# Altium PCB PCB_Kasli.PCBDOC (part 2 of 14)
Units mm, origin at the board's own origin, x right, y up, seen from the top; angles counter-clockwise.
Board outline 162.29 x 100 mm, 6 copper layers (TopLayer, MidLayer1, MidLayer2, SignalLayer1, Internal Plane 1, BottomLayer), stack 1.528 mm thick; 646 components, 567 nets, 2756 pads, 1560 vias.
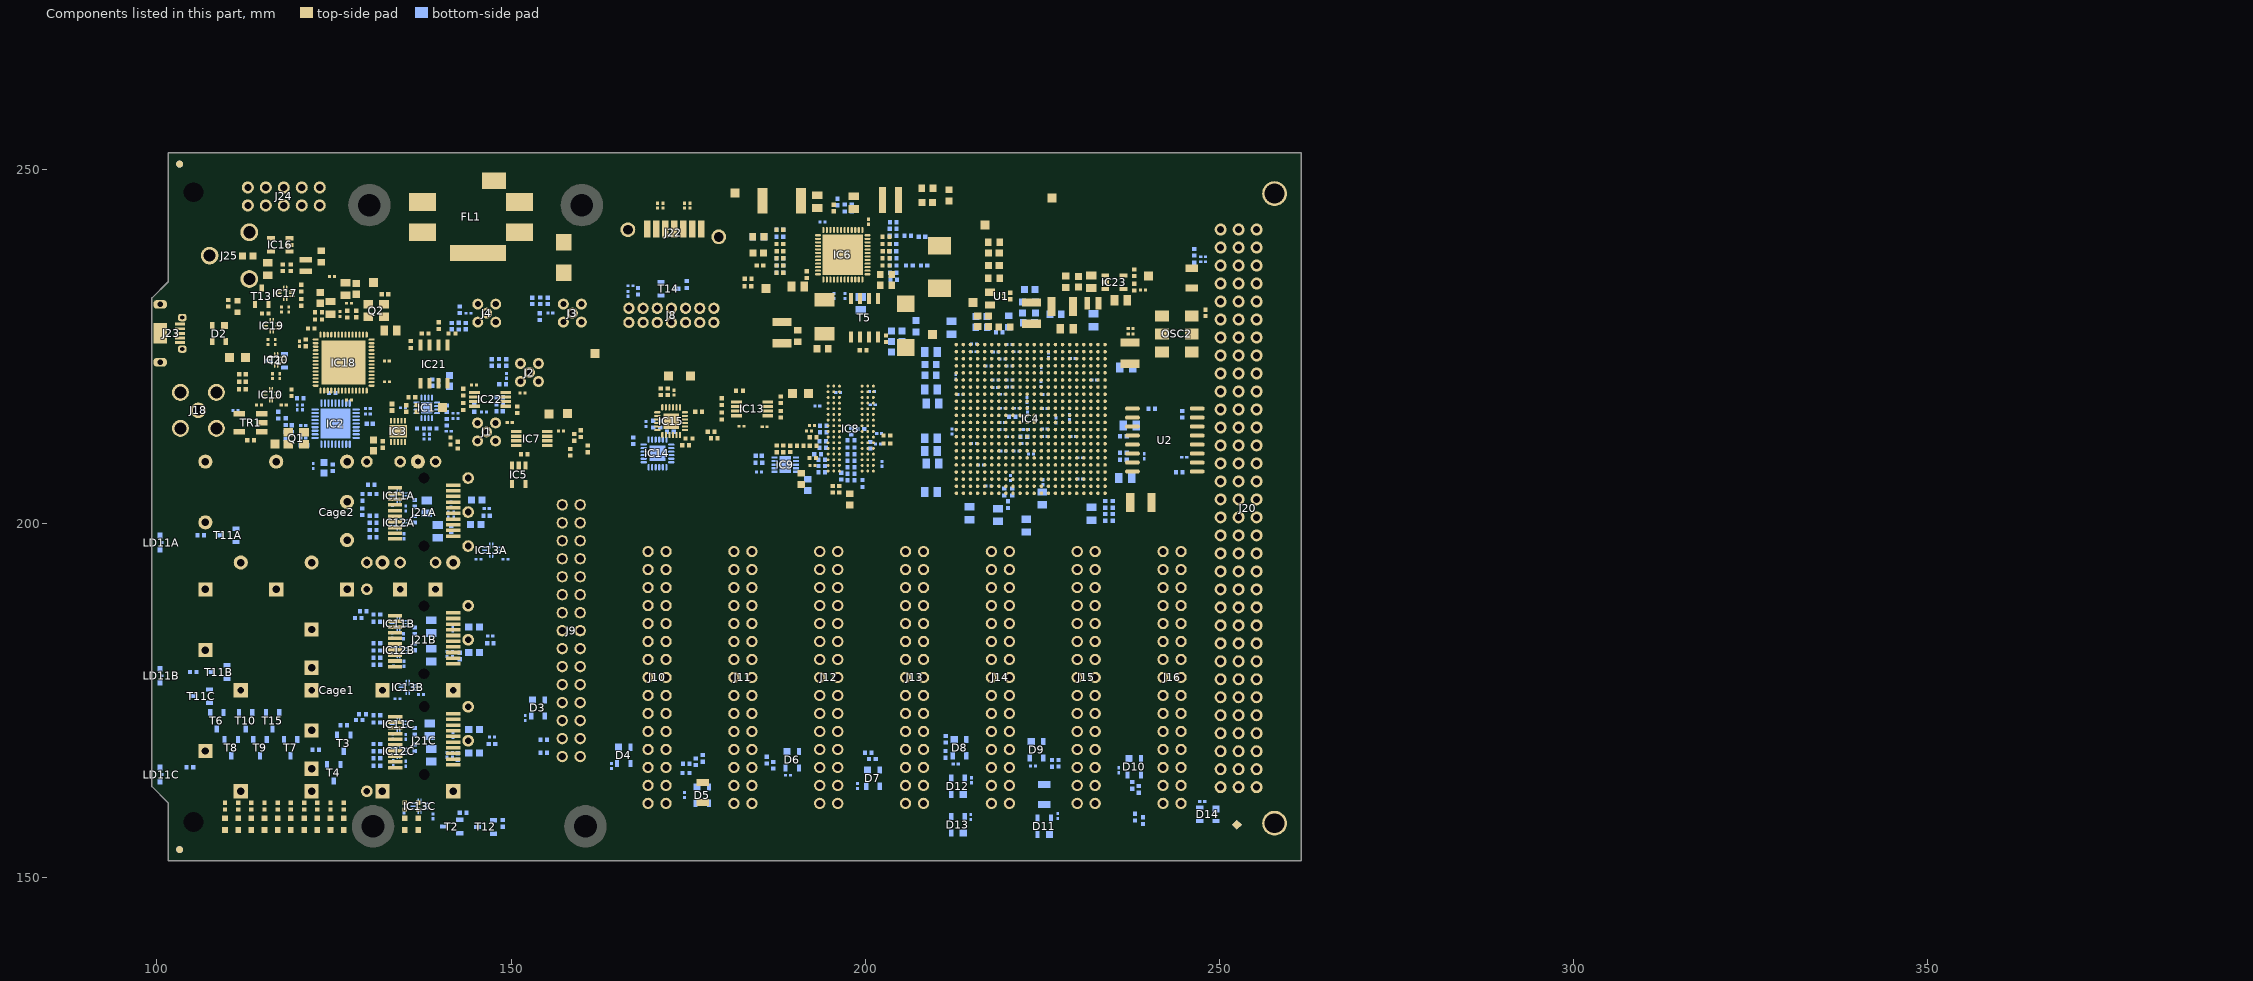
[diagram p6: the components of this part, seen from the top]

## Components (designator, comment, footprint, x,y, rotation, side; value= is the part's Value field where it differs from the comment) (continued)
C183B "100nF" CAPC0603X33N 140.97,181.61 r90 bottom (schematic designator C183)
C183C "100nF" CAPC0603X33N 140.97,167.386 r90 bottom (schematic designator C183)
C184A "10uF" CAPC2012X95N 138.1,202.4 r90 bottom (schematic designator C184)
C184B "10uF" CAPC2012X95N 138.75,185.475 r270 bottom (schematic designator C184)
C184C "10uF" CAPC2012X95N 138.525,170.925 r270 bottom (schematic designator C184)
C185A "100nF" CAPC0603X33N 141.525,202.725 r90 bottom (schematic designator C185)
C185B "100nF" CAPC0603X33N 141.775,185.2 r270 bottom (schematic designator C185)
C185C "100nF" CAPC0603X33N 141.8,170.2 r90 bottom (schematic designator C185)
C186A "100nF" CAPC0603X33N 133.325,198.3 r90 bottom (schematic designator C186)
C186B "100nF" CAPC0603X33N 133.225,184.25 r90 bottom (schematic designator C186)
C186C "100nF" CAPC0603X33N 133.375,166.2 r90 bottom (schematic designator C186)
C187A "100nF" CAPC0603X33N 134.875,198.25 r90 bottom (schematic designator C187)
C187B "100nF" CAPC0603X33N 134.875,180.25 r90 bottom (schematic designator C187)
C187C "100nF" CAPC0603X33N 135.128,166.116 r90 bottom (schematic designator C187)
C188A "100nF" CAPC0603X33N 133.275,202.225 r90 bottom (schematic designator C188)
C188B "100nF" CAPC0603X33N 133.4,180.3 r90 bottom (schematic designator C188)
C188C "100nF" CAPC0603X33N 133.3,169.975 r90 bottom (schematic designator C188)
C189A "100nF" CAPC0603X33N 135.129,202.18 r90 bottom (schematic designator C189)
C189B "100nF" CAPC0603X33N 134.83,184.13 r90 bottom (schematic designator C189)
C189C "100nF" CAPC0603X33N 135.128,169.926 r90 bottom (schematic designator C189)
C190A "100nF" CAPC0603X33N 145.4,195 r0 bottom (schematic designator C190)
C190B "100nF" CAPC0603X33N 133.95,175.3 r0 bottom (schematic designator C190)
C190C "100nF" CAPC0603X33N 134.9,158.8 r90 bottom (schematic designator C190)
C191A "100nF" CAPC0603X33N 149.2,195 r180 bottom (schematic designator C191)
C191B "100nF" CAPC0603X33N 137.3,175.9 r180 bottom (schematic designator C191)
C191C "100nF" CAPC0603X33N 139,158.7 r90 bottom (schematic designator C191)
C192 "100nF" CAPC0603X33N 182.525,213.775 r180 top
C193 "100nF" CAPC0603X33N 185.811,213.705 r0 top
C194 "10nF" CAPC1005X55N 141.606,227.909 r90 bottom
C195 "10nF" CAPC1005X55N 143.606,227.909 r90 bottom
C196 "100nF" CAPC0603X33N 169.042,214.092 r270 bottom
C197 "100nF" CAPC0603X33N 173,218.525 r270 top
C198 "100nF" CAPC0603X33N 170.689,244.933 r90 top
C199 "100nF" CAPC0603X33N 171.476,244.933 r90 top
C200 "100nF" CAPC0603X33N 174.499,244.933 r90 top
C201 "100nF" CAPC0603X33N 175.286,244.933 r90 top
C202 "4.7uF" CAPC2012X135N 115.65,235.975 r90 top
C203 "100nF" CAPC0603X33N 114.4,216.8 r0 top
C204 "100nF" CAPC0603X33N 124.714,234.95 r180 top
C205 "22uF" CAPC1709X100N 123.175,237.75 r270 top
C206 "4.7uF" CAPC2012X135N 132.969,227.33 r180 top
C207 "22pF" CAPC1005X55N 132.207,232.41 r180 top
C208 "22pF" CAPC1005X55N 128.143,229.616 r270 top
C209 "4.7uF" CAPC2012X135N 126.619,233.172 r270 top
C210 "100nF" CAPC0603X33N 127.127,231.14 r0 top
C211 "4.7uF" CAPC2012X135N 124.5,230.5 r270 top
C212 "100nF" CAPC0603X33N 125.857,229.616 r270 top
C213 "100nF" CAPC0603X33N 118.618,230.251 r90 top
C214 "100nF" CAPC0603X33N 117.348,220.853 r90 top
C215 "100nF" CAPC0603X33N 116.713,225.679 r90 top
C216 "100nF" CAPC0603X33N 115.697,225.679 r90 top
C217 "100nF" CAPC0603X33N 117.602,230.251 r90 top
C218 "100nF" CAPC0603X33N 116.332,220.853 r90 top
C219 "100nF" CAPC0603X33N 144.759,219.619 r180 top
C220 "100nF" CAPC0603X33N 151.6,218.5 r180 top
C221 "100nF" CAPC0603X33N 127.1,217.5 r180 top
C222 "100nF" CAPC0603X33N 132.461,223.012 r180 top
C223 "100nF" CAPC0603X33N 120.142,225.425 r270 top
C224 "100nF" CAPC0603X33N 132.475,220.075 r180 top
C225 "10nF" CAPC1005X55N 112.075,221.15 r180 top
C226 "10nF" CAPC1005X55N 112.081,220.06 r180 top
C227 "100nF" CAPC0603X33N 117.9,216.8 r180 top
C228 "100nF" CAPC0603X33N 111.075,216.025 r0 bottom
C229 "100nF" CAPC0603X33N 239.4,209.55 r90 bottom
C230 "2.2nF" CAPC1005X55N 185.166,236.474 r0 top
C231 "10uF" CAPC2012X95N 231.927,234.188 r270 top
C232 "100nF" CAPC0603X33N 239.25,233 r180 top
C233 "22uF" CAPC1709X100N 228.346,234.188 r270 top
C235 "47uF" CAPC3225X270N 227.825,230.7 r0 top
C236 "100nF" CAPC0603X33N 237.49,226.822 r180 top
C237 "100nF" CAPC0603X33N 237.49,227.584 r180 top
C238 "10nF" CAPC1005X55N 248.05,229.8 r270 top
C240 "22uF" CAPC1709X100N 209.25,221 r0 bottom
Cage1 "SFP+" TYCO_2007263-1 137.74,176.504 r0 top locked
Cage2 "SFP+" TYCO_2007198-1 137.74,201.663 r0 top locked
D1 "SMBJ12A" DIOM5336X265N 157.448,237.615 r270 top
D2 "PRTR5V0U2X" SOT190P230X110-4N 108.772,226.873 r270 top
D3 "PRTR5V0U2X" SOT190P230X110-4N 153.8,174 r270 bottom
D4 "PRTR5V0U2X" SOT190P230X110-4N 165.9,167.3 r270 bottom
D5 "PRTR5V0U2X" SOT190P230X110-4N 177,161.7 r270 bottom
D6 "PRTR5V0U2X" SOT190P230X110-4N 189.7,166.7 r270 bottom
D7 "PRTR5V0U2X" SOT190P230X110-4N 201.1,164.1 r270 bottom
D8 "PRTR5V0U2X" SOT190P230X110-4N 213.325,168.4 r270 bottom
D9 "PRTR5V0U2X" SOT190P230X110-4N 224.2,168.1 r270 bottom
D10 "PRTR5V0U2X" SOT190P230X110-4N 238,165.7 r270 bottom
D11 "PRTR5V0U2X" SOT190P230X110-4N 225.3,157.3 r90 bottom
D12 "PRTR5V0U2X" SOT190P230X110-4N 213.1,162.95 r90 bottom
D13 "PRTR5V0U2X" SOT190P230X110-4N 213.1,157.5 r90 bottom
D14 "PRTR5V0U2X" SOT190P230X110-4N 248.4,159 r180 bottom
F1 "125mA-30V" FUSR_LITTELFUSE_1206L012 177.05,162.075 r270 top
F2 "125mA-30V" FUSR_LITTELFUSE_1206L012 225.298,161.798 r270 bottom
F3 "125mA-30V" FUSR_LITTELFUSE_1206L012 246.126,234.696 r90 top
FL1 "10A/50VDC" FIL_MURATA_BNX02 144.364,243.355 r0 top
FTG1 "Use only in PCB" FIDUCIAL_TOP_C100-200 103.2,250.8 r90 top
FTG2 "Use only in PCB" FIDUCIAL_TOP_S100-200 252.5,157.5 r90 bottom
FTG3 "Use only in PCB" FIDUCIAL_TOP_C100-200 103.2,154 r90 top
FTG4 "Use only in PCB" FIDUCIAL_TOP_C100-200 103.2,250.8 r90 bottom
FTG5 "Use only in PCB" FIDUCIAL_TOP_C100-200 103.2,154 r90 bottom
FTG6 "Use only in PCB" FIDUCIAL_TOP_S100-200 252.5,157.5 r90 top
HS1 "Heat Sink No Pad" "ICK BGA 23 x 23 x 10" 223.1,215 r90 top
IC1 "ADCLK944BCPZ" QFN50P300X300X80-17N-S160 138.1,216.378 r0 bottom locked
IC2 "Si5324C-C-GM" QFN50P600X600X90-37N-S425 125.222,214.149 r90 bottom locked
IC3 "LT3045EDD#PBF" SON50P300X300X80-11N-R175X248 134.045,213.059 r90 top locked
IC4 "XC7A100T-2FGG484C" FGG484 223.372,214.815 r0 top locked
IC5 "24AA02E48T-I/OT" SOT95P280X145-5N 151.075,206.925 r270 top
IC6 "ADP5052ACPZ" QFN50P700X700X80-49N-S570 196.85,237.998 r270 top locked
IC7 "TCA9517DGKR" SOP65P490X110-8N 152.925,212.05 r0 top
IC8 "MT41K256M16TW-107:P" BGA96C80P9X16_800X1400X120 197.967,213.449 r0 top locked
IC9 "TPS51200DRCT" "TEXAS_DRC (S-PVSON-N10)" 188.725,208.35 r180 bottom
IC10 "SN74AVC2T245RSWR" QFN40P140X180X55-10N 116.1,218.2 r270 top
IC11A "SN74AVC2T245RSWR" QFN40P140X180X55-10N 134.113,203.958 r270 bottom (schematic designator IC11)
IC11B "SN74AVC2T245RSWR" QFN40P140X180X55-10N 134.112,185.928 r270 bottom (schematic designator IC11)
IC11C "SN74AVC2T245RSWR" QFN40P140X180X55-10N 134.112,171.704 r270 bottom (schematic designator IC11)
IC12A "SN74AVC2T245RSWR" QFN40P140X180X55-10N 134.113,200.148 r270 bottom (schematic designator IC12)
IC12B "SN74AVC2T245RSWR" QFN40P140X180X55-10N 134.112,182.118 r270 bottom (schematic designator IC12)
IC12C "SN74AVC2T245RSWR" QFN40P140X180X55-10N 134.112,167.894 r270 bottom (schematic designator IC12)
IC13 "TCA9517DGKR" SOP65P490X110-8N 184.033,216.245 r180 top
IC13A "SN74AVC2T245RSWR" QFN40P140X180X55-10N 147.2,196.3 r270 bottom (schematic designator IC13)
IC13B "SN74AVC2T245RSWR" QFN40P140X180X55-10N 135.4,176.9 r270 bottom (schematic designator IC13)
IC13C "SN74AVC2T245RSWR" QFN40P140X180X55-10N 137.086,160.14 r270 bottom (schematic designator IC13)
IC14 "TCA9548ARGER" QFN50P400X400X100-25N-S220 170.675,209.95 r180 bottom
IC15 "TCA9548ARGER" QFN50P400X400X100-25N-S220 172.606,214.501 r0 top
IC16 "TLV62565DBVT" SOT95P280X145-5N 117.42,239.391 r180 top
IC17 "SN74AVC2T245RSWR" QFN40P140X180X55-10N 118.11,232.537 r270 top
IC18 "FT4232H-56Q" QFN50P800X800X100-57N-S620 126.365,222.758 r270 top locked
IC19 "SN74AVC2T245RSWR" QFN40P140X180X55-10N 116.205,227.965 r270 top
IC20 "SN74AVC2T245RSWR" QFN40P140X180X55-10N 116.84,223.139 r270 top
IC21 "M93C46-WMN6TP" SOIC127P600X175-8N 139.123,222.553 r270 top
IC22 "TCA9517DGKR" SOP65P490X110-8N 147.045,217.587 r0 top
IC23 "TLV62565DBVT" SOT95P280X145-5N 235.198,234.118 r0 top
J1 "MMCX-J-P-H-ST-TH1" SAMTEC_MMCX-J-P-H-ST-TH1 146.541,212.979 r90 top
J2 "MMCX-J-P-H-ST-TH1" SAMTEC_MMCX-J-P-H-ST-TH1 152.596,221.371 r0 top
J3 "MMCX-J-P-H-ST-TH1" SAMTEC_MMCX-J-P-H-ST-TH1 158.652,229.763 r0 top
J4 "MMCX-J-P-H-ST-TH1" SAMTEC_MMCX-J-P-H-ST-TH1 146.569,229.754 r270 top
J8 "Milli-Grid™" MOLEX_87831-1420 172.644,229.438 r180 top locked
J9 "Familly" 3M_N2530-6002RB 158.496,184.912 r270 top locked
J10 "Familly" 3M_N2530-6002RB 170.615,178.308 r270 top locked
J11 "Familly" 3M_N2530-6002RB 182.735,178.308 r270 top locked
J12 "Familly" 3M_N2530-6002RB 194.854,178.308 r270 top locked
J13 "Familly" 3M_N2530-6002RB 206.974,178.308 r270 top locked
J14 "Familly" 3M_N2530-6002RB 219.093,178.308 r270 top locked
J15 "Familly" 3M_N2530-6002RB 231.212,178.308 r270 top locked
J16 "Familly" 3M_N2530-6002RB 243.332,178.308 r270 top locked
J18 "SMA" AMPHENOL_132203 105.85,216.027 r180 top locked
J20 "DIN 41612 Type C" "HARTING_09 03 196 2921" 255.27,241.554 r0 top locked
J21A "SFP" TYCO_1367073-1 137.734,201.678 r0 top locked (schematic designator J21)
J21B "SFP" TYCO_1367073-1 137.729,183.638 r0 top locked (schematic designator J21)
J21C "SFP" TYCO_1367073-1 137.744,169.393 r0 top locked (schematic designator J21)
J22 "SATA" MOLEX_67800-5005 173.054,241.631 r180 top
J23 "Micro-USB AB 2.0" HIROSE_ZX62RD-AB-5P8 103.25,226.9 r270 top
J24 "Header 10" SAMTEC_TSW-105-07-L-D-LL 117.907,246.228 r180 top
J25 "Jack" SWITCHCRAFT_L712RA 113.036,241.173 r0 top locked
L1 "120R@100MHz" INDC1608X65N 141.301,220.182 r90 bottom
L2 "120R@100MHz" INDC1608X65N 123.571,207.926 r270 bottom
L3 "120R@100MHz" INDC1608X65N 130.6,211.075 r90 top
L4 "120R@100MHz" INDC1608X65N 222.225,230.55 r270 bottom
L5 "120R@100MHz" INDC1608X65N 224.025,230.55 r270 bottom
L6 "DR74-4R7-R" COBU-DR74-4R7-R_V 210.5,236.25 r90 top
L7 "120R@100MHz" INDC1608X65N 218.186,238.252 r0 top
L8 "6.8uH" IND_COILCRAFT_XAL4030 203.581,245.745 r0 top
L9 "120R@100MHz" INDC1608X65N 208.788,245.364 r0 top
L10 "2.2uH" IND_WURTH_WE-PMCI_0806LR 232.156,231.14 r180 top
L11 "120R@100MHz" INDC1608X65N 204.45,225.75 r0 bottom
L12 "120R@100MHz" INDC1608X65N 204.45,227.225 r0 bottom
L13 "120R@100MHz" INDC1608X65N 223.25,233.1 r0 bottom
L14 "3.3 uH" IHLP-2020BZ-11 194.25,229.25 r270 top
L15 "120R@100MHz" INDC1608X65N 216.425,229.25 r0 bottom
L16 "3.3uH" IND_WURTH_WE-PD3_S 188.214,245.618 r180 top
L17 "120R@100MHz" INDC1608X65N 184.912,238.252 r180 top
L18 "120R@100MHz" INDC1608X65N 215.9,228.6 r270 top
L19 "120R@100MHz" INDC1608X65N 217.424,228.6 r270 top
L20A "120R@100MHz" INDC1608X65N 145.034,199.898 r180 bottom (schematic designator L20)
L20B "120R@100MHz" INDC1608X65N 144.78,181.864 r180 bottom (schematic designator L20)
L20C "120R@100MHz" INDC1608X65N 144.78,167.64 r180 bottom (schematic designator L20)
L21A "120R@100MHz" INDC1608X65N 145.136,203.378 r180 bottom (schematic designator L21)
L21B "120R@100MHz" INDC1608X65N 144.78,185.42 r180 bottom (schematic designator L21)
L21C "120R@100MHz" INDC1608X65N 144.78,170.942 r180 bottom (schematic designator L21)
L22 "120R@100MHz" INDC1608X65N 112.825,237.825 r0 top
L23 "2.2uH" IND_WURTH_WE-PMCI_0806LR 121.001,236.474 r270 top
L24 "120R@100MHz" INDC1608X65N 128.143,233.172 r270 top
L25 "120R@100MHz" INDC1608X65N 123.063,231.902 r270 top
L26 "120R@100MHz" INDC1608X65N 230.149,234.188 r270 top
L27 "120R@100MHz" INDC1608X65N 218.186,236.474 r0 top
L28 "120R@100MHz" INDC1608X65N 204.45,224.275 r0 bottom
LD1 "Color" LED_KINGBRIGHT_KPH-1608CGCK 111.375,230.7 r90 top
LD2 "Color" LED_KINGBRIGHT_KPH-1608CGCK 126.365,157.607 r90 top
LD3 "Color" LED_KINGBRIGHT_KPH-1608CGCK 124.502,157.607 r90 top
LD4 "Color" LED_KINGBRIGHT_KPH-1608CGCK 109.601,157.607 r90 top
LD5 "Color" LED_KINGBRIGHT_KPH-1608CGCK 118.914,157.607 r90 top
LD6 "Color" LED_KINGBRIGHT_KPH-1608CGCK 111.464,157.607 r90 top
LD7 "Color" LED_KINGBRIGHT_KPH-1608CGCK 115.189,157.607 r90 top
LD8 "Color" LED_KINGBRIGHT_KPH-1608CGCK 113.326,157.607 r90 top
LD9 "Color" LED_KINGBRIGHT_KPH-1608CGCK 122.64,157.607 r90 top
LD10 "Color" LED_KINGBRIGHT_KPH-1608CGCK 120.777,157.607 r90 top
LD11A "Green" LED_AVAGO_HSME-C120 100.4,197.35 r270 bottom (schematic designator LD11)
LD11B "Green" LED_AVAGO_HSME-C120 100.4,178.562 r270 bottom (schematic designator LD11)
LD11C "Green" LED_AVAGO_HSME-C120 100.4,164.6 r270 bottom (schematic designator LD11)
LD12 "Color" LED_KINGBRIGHT_KPH-1608CGCK 117.052,157.607 r90 top
LD13 "Color" LED_KINGBRIGHT_KPH-1608CGCK 135,157.607 r90 top
LD14 "Color" LED_KINGBRIGHT_KPH-1608CGCK 136.9,157.607 r90 top
OSC2 "125MHz" OSC_SILICON-LAB_SI510-6N 244.024,226.822 r0 top
Q1 "114.285MHZ" XTAL_CONNOR_CS 119.634,212.09 r270 top
Q2 "12MHZ" XTAL_TXC_7M 130.937,230.124 r270 top value=12MHz
R1 "10k" RESC1005X40N 234.976,200.906 r90 bottom
R2 "10k" RESC1005X40N 233.909,200.906 r90 bottom
R3 "100" RESC1005X40N 120.25,217.725 r180 bottom
R4 "200" RESC1005X40N 137.211,213.457 r180 bottom
R6 "200" RESC1005X40N 138.989,213.457 r0 bottom
R7 "200" RESC1005X40N 140.894,214.346 r270 bottom
R8 "200" RESC1005X40N 140.894,216.251 r90 bottom
R9 "100" RESC1005X40N 119.05,213.45 r270 bottom
R10 "24k" RESC1005X40N 136.7,216.3 r270 top
R11 "1k" RESC1005X40N 135,160.147 r90 top
R12 "5k6" RESC1005X40N 187.96,236.474 r0 top
R13 "0" RESC1005X40N 117.145,215.367 r270 bottom
R14 "24k" RESC1005X40N 237.998,233.426 r270 top
R15 "1k" RESC1005X40N 110.094,231.166 r270 top
R16 "200" RESC1005X40N 144.8,216.3 r270 bottom
R17 "4k7" RESC1005X40N 124.75,218.475 r180 bottom
R18 "200" RESC1005X40N 148.8,219.7 r180 bottom
R19 "2k2" RESC1005X40N 143.225,159.225 r180 bottom
R20 "1k" RESC1005X40N 136.9,160.147 r90 top
R21 "200" RESC1005X40N 154.025,229.275 r270 bottom
R22 "200" RESC1005X40N 124.841,207.926 r90 bottom
R23 "2k2" RESC1005X40N 148.8,157.7 r90 bottom
R24 "200" RESC1005X40N 142.781,230.244 r90 bottom
R25 "2k2" RESC1005X40N 142.45,211.125 r270 top
R26 "2k2" RESC1005X40N 141.45,211.7 r270 top
R27 "10k" RESC1005X40N 151.875,209.825 r0 top
R28 "1k" RESC1005X40N 136,217.875 r0 top
R29 "100k" RESC1005X40N 148.4,216.9 r180 bottom
R30 "100k" RESC1005X40N 148.3,222.8 r270 bottom
R31 "100k" RESC1005X40N 154.099,231.5 r270 bottom
R32 "100k" RESC1005X40N 142.606,227.924 r90 bottom
R33 "10k" RESC1005X40N 119,218.5 r90 top
R38 "200" RESC1005X40N 246.45,238.35 r270 bottom
R39 "200" RESC1005X40N 246.45,236.4 r90 bottom
R42 "1k" RESC1005X40N 236.474,210.058 r0 bottom
R43 "1k" RESC1005X40N 236.474,209.042 r180 bottom
R44 "1k" RESC1005X40N 126.365,160.147 r90 top
R45 "2k2" RESC1005X40N 126.365,171.577 r180 bottom
R46 "0" RESC1005X40N 220.775,204.5 r90 bottom
R47 "0" RESC1005X40N 220.175,202.725 r90 bottom
R48 "0" RESC1005X40N 219.65,204.5 r90 bottom
R49 "22k" RESC1005X40N 199.7,224.5 r0 top
R51 "10k" RESC1005X40N 183.464,234.594 r180 top
R52 "1k" RESC1005X40N 236.474,212.344 r180 bottom
R53 "0" RESC1005X40N 183.45,233.525 r0 top
R54 "0" RESC1005X40N 222.425,212.275 r0 bottom
R55 "1k" RESC1005X40N 124.502,160.147 r90 top
R56 "0" RESC1005X40N 220.775,215.1 r0 bottom
R57 "300" RESC1005X40N 122.425,168.1 r180 bottom
R58 "10k" RESC1005X40N 167.925,232.85 r90 bottom
R59 "7k5" RESC1005X40N 202.946,236.474 r0 top
R60 "2k4" RESC1005X40N 202.946,237.49 r180 top
R61 "4k7" RESC1005X40N 203.962,235.458 r180 bottom
R62 "51k" RESC1005X40N 202.946,239.522 r0 top
R63 "5k1" RESC1005X40N 206.248,236.474 r180 bottom
R64 "910" RESC1005X40N 203.962,236.474 r180 bottom
R65 "7k5" RESC1005X40N 204.05,234.45 r180 bottom
R66 "22k" RESC1005X40N 202.95,226.15 r270 top
R67 "12k" RESC1005X40N 237.998,235.458 r270 top
R68 "24k" RESC1005X40N 202.946,240.538 r180 top
R69 "240" RESC1005X40N 203.95,241.675 r0 bottom
R70 "5k1" RESC1005X40N 206,240.675 r180 bottom
R71 "910" RESC1005X40N 203.95,240.7 r180 bottom
R72 "10k" RESC1005X40N 203.962,242.57 r180 bottom
R73 "10k" RESC1005X40N 191.77,235.204 r270 top
R74 "10k" RESC1005X40N 117.052,160.147 r90 top
R75 "7k5" RESC1005X40N 187.96,235.458 r180 bottom
R76 "910" RESC1005X40N 187.96,235.458 r0 top
R77 "30k" RESC1005X40N 187.96,237.49 r0 bottom
R78 "7k5" RESC1005X40N 187.96,241.554 r0 bottom
R79 "7k5" RESC1005X40N 187.96,240.538 r0 bottom
R80 "0" RESC1005X40N 113.225,211.825 r0 top
R81 "5k1" RESC1005X40N 187.96,241.554 r0 top
R82 "1k" RESC1005X40N 109.601,160.147 r90 top
R83 "24k" RESC1005X40N 187.96,237.49 r180 top
R84 "27k" RESC1005X40N 187.96,239.522 r0 top
R85 "43k2" RESC1005X35N 203.962,237.49 r180 bottom
R86 "10k" RESC1005X40N 122.64,160.147 r90 top
R87 "1k" RESC1005X40N 120.777,160.147 r90 top
R88 "10k" RESC1005X40N 118.914,160.147 r90 top
R89 "10k" RESC1005X40N 111.464,160.147 r90 top
R90 "10k" RESC1005X40N 115.189,160.147 r90 top
R91 "10k" RESC1005X40N 113.326,160.147 r90 top
R92 "51k" RESC1005X40N 197.104,244.602 r90 bottom
R93 "36k" RESC1005X40N 198.12,244.602 r270 bottom
R94 "2k2" RESC1005X40N 244.348,207.264 r180 bottom
R95 "2k2" RESC1005X40N 244.775,215.475 r90 bottom
R96 "2k2" RESC1005X40N 240.455,216.229 r0 bottom
R99 "51" RESC1005X40N 194.025,210.75 r180 bottom
R100 "51" RESC1005X40N 200.704,211.112 r90 bottom
R101 "51" RESC1005X40N 192.65,211.05 r180 top
R102 "51" RESC1005X40N 194.025,211.675 r180 bottom
R103 "51" RESC1005X40N 194.075,212.95 r180 bottom
R104 "51" RESC1005X40N 194.075,213.875 r180 bottom
R105 "51" RESC1005X40N 198,206.175 r180 bottom
R106 "51" RESC1005X40N 196.35,204.9 r270 top
R107 "51" RESC1005X40N 198,210.775 r180 bottom
R108 "51" RESC1005X40N 198,207.075 r180 bottom
R109 "51" RESC1005X40N 198,211.8 r180 bottom
R110 "51" RESC1005X40N 196.625,206.75 r270 bottom
R111 "51" RESC1005X40N 199.625,205.7 r270 bottom
R112 "51" RESC1005X40N 193.875,207.275 r180 bottom
R113 "51" RESC1005X40N 198,208 r180 bottom
R114 "51" RESC1005X40N 192.6,209.3 r180 top
R115 "51" RESC1005X40N 198,209.85 r180 bottom
R116 "51" RESC1005X40N 193.275,209.85 r180 bottom
R117 "51" RESC1005X40N 193.875,208.175 r180 bottom
R118 "51" RESC1005X40N 198,208.925 r180 bottom
R119 "51" RESC1005X40N 193.875,209.05 r180 bottom
R120 "51" RESC1005X40N 199.4,213.4 r0 bottom
R121 "51" RESC1005X40N 198.025,213.075 r270 bottom
R122 "5k1" RESC1005X40N 203.075,212.475 r180 top
R123 "5k1" RESC1005X40N 195.4,204.9 r90 top
R124 "240" RESC1005X40N 190.825,211.05 r0 top
R125 "240" RESC1005X40N 203.075,211.35 r180 top
R126 "5k1" RESC1005X40N 192.65,212.25 r0 top
R127 "10k" RESC1005X40N 185,208.625 r180 bottom
R128 "10k" RESC1005X40N 187.525,210.575 r270 top
R129 "10k" RESC1005X40N 188.45,210.575 r270 top
R130A "10k" RESC1005X40N 130.514,198.12 r0 bottom (schematic designator R130)
R130B "10k" RESC1005X40N 131.064,180.086 r0 bottom (schematic designator R130)
R130C "10k" RESC1005X40N 131.064,165.862 r0 bottom (schematic designator R130)
R134A "10k" RESC1005X40N 130.25,205.5 r180 bottom (schematic designator R134)
R134B "10k" RESC1005X40N 131.064,187.198 r180 bottom (schematic designator R134)
R134C "10k" RESC1005X40N 131.064,172.974 r180 bottom (schematic designator R134)
R137A "10k" RESC1005X40N 130.514,201.168 r180 bottom (schematic designator R137)
R137B "10k" RESC1005X40N 131.064,183.134 r180 bottom (schematic designator R137)
R137C "10k" RESC1005X40N 131.064,168.91 r180 bottom (schematic designator R137)
R138A "10k" RESC1005X40N 130.514,199.136 r180 bottom (schematic designator R138)
R138B "10k" RESC1005X40N 131.064,181.102 r180 bottom (schematic designator R138)
R138C "10k" RESC1005X40N 131.064,166.878 r180 bottom (schematic designator R138)
R143A "240" RESC1005X40N 106.172,198.374 r180 bottom (schematic designator R143)
R143B "240" RESC1005X40N 105.125,179.075 r180 bottom (schematic designator R143)
R143C "240" RESC1005X40N 104.648,165.608 r180 bottom (schematic designator R143)
R144A "10k" RESC1005X40N 136.398,200.66 r270 bottom (schematic designator R144)
R144B "10k" RESC1005X40N 136.398,182.626 r270 bottom (schematic designator R144)
R144C "10k" RESC1005X40N 136.398,168.402 r270 bottom (schematic designator R144)
R145A "10k" RESC1005X40N 136.398,202.908 r90 bottom (schematic designator R145)
R145B "10k" RESC1005X40N 136.398,184.912 r90 bottom (schematic designator R145)
R145C "10k" RESC1005X40N 136.398,170.688 r90 bottom (schematic designator R145)
R146 "2k2" RESC1005X40N 188.097,217.515 r90 top
R147 "2k2" RESC1005X40N 188.097,215.483 r270 top
R148 "2k2" RESC1005X40N 179.769,217.261 r90 top
R149 "2k2" RESC1005X40N 179.769,215.229 r270 top
R150 "10k" RESC1005X40N 182.255,218.785 r180 top
R151 "2k2" RESC1005X40N 172.5,213.025 r0 bottom
R152 "0" RESC1005X40N 167.275,211.725 r270 bottom
R153 "0" RESC1005X40N 171.074,214.092 r270 bottom
R154 "0" RESC1005X40N 170.058,214.092 r270 bottom
R155 "2k2" RESC1005X40N 154.6,167.7 r180 bottom
R156 "2k2" RESC1005X40N 154.6,169.5 r180 bottom
R157 "2k2" RESC1005X40N 174.75,166.125 r0 bottom
R158 "2k2" RESC1005X40N 174.7,164.825 r0 bottom
R159 "2k2" RESC1005X40N 177.05,166.875 r270 bottom
R160 "2k2" RESC1005X40N 176.1,166.4 r270 bottom
R161 "2k2" RESC1005X40N 186.1,166.65 r270 bottom
R162 "2k2" RESC1005X40N 187,165.9 r270 bottom
R163 "2k2" RESC1005X40N 201.025,166.8 r180 bottom
R164 "2k2" RESC1005X40N 200.45,167.7 r180 bottom
R165 "2k2" RESC1005X40N 211.4,169.6 r270 bottom
R166 "2k2" RESC1005X40N 211.35,167.45 r90 bottom
R167 "2k2" RESC1005X40N 227.3,166.2 r270 bottom